# Altium PCB Power_Management_Board.PcbDoc (part 1 of 2) (continued)
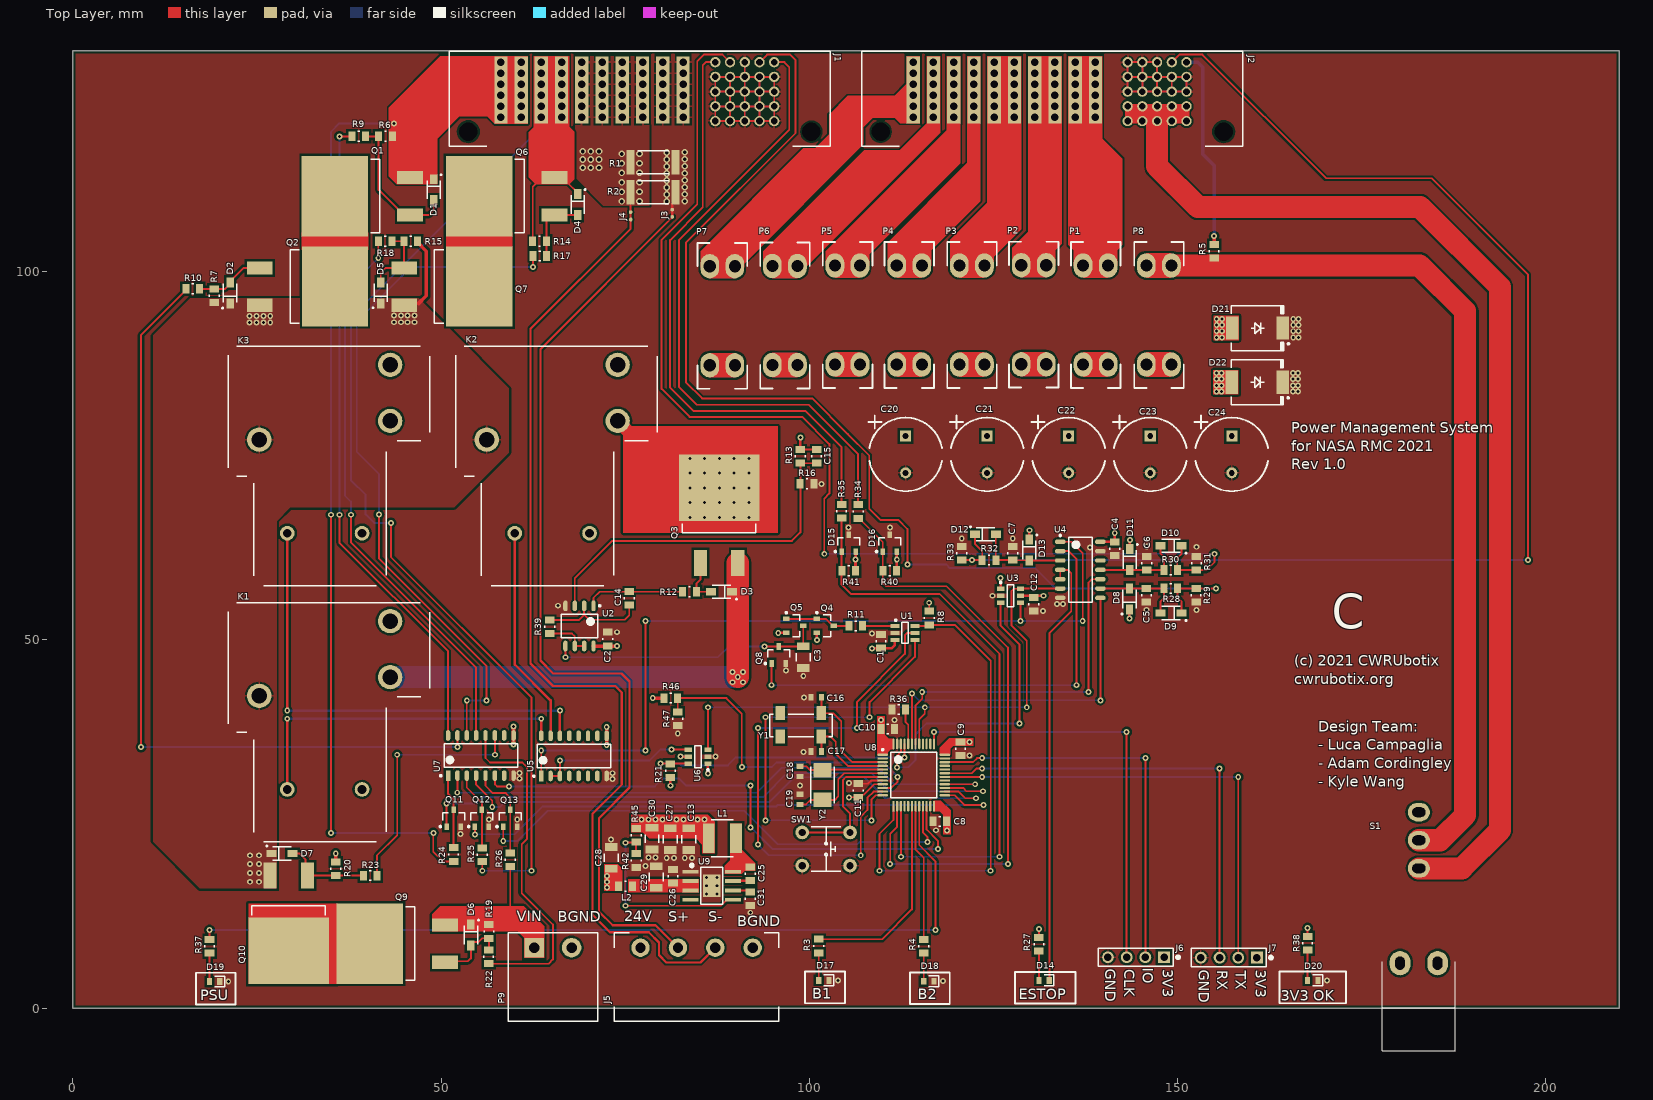
[diagram p0: Top Layer view]
## Components (designator, comment, footprint, x,y, rotation, side; value= is the part's Value field where it differs from the comment) (continued)
R47 "10k" chip_0805 82.15,39.3 r270 top
S1 "SW-SPDT" M2012TXG41-DC 182.8,26.6 r0 top
SW1 "SW_1P1T_2" TE_CONN_3-1825910-5 102.3,21.6 r270 top
U1 "DAC081S101CIMK" TSOT-23-6 113,50.95 r0 top
U2 "OPA2170AIDR" SO-8_1 68.8,51.9 r270 top
U3 "SN74LVC1G11DBVR" sot-23-6 127.35,56 r0 top
U4 "SN74AHC14D" SO-14 136.825,59.52 r0 top
U5 "ULN2003AD" SO-16_1 68.05,34.25 r90 top
U6 "SN74LVC1G11DBVR" sot-23-6 84.9,34.15 r180 top
U7 "ULN2003AD" SO-16_1 55.4,34.3 r90 top
U8 "STM32F103C8" LQFP48_0 114.2,31.65 r0 top
U9 "LMR36510ADDAR" SO-8_PPAD 86.775,16.615 r0 top
Y1 "osc_xtal_2p_0" ABS25_OSC 101.65,36.875 r180 top
Y2 "16M" NX5032GA 101.8,30.3 r270 top

## Footprints (in the part's own frame and the unit in brackets; to place one, negate y for a bottom-side part, rotate by r counter-clockwise, add the part's x,y. Pads: shape width x height; smd on the part's side, far side on the other; paste and mask are expansions set on the pad)
ABS25_OSC [mil] "Abracon Tuning Fork Oscillators"
  rect 50x75 smd: 1(0,-125) 2(0,0) 3(220,0) 4(220,-125)
  silkscreen extent -59,-118 276,0
BOURNS_SRN5040 [mm] "Bourns SRN5040 series inductors"
  rect 1.6x4 smd: 1(-1.85,0) 2(1.85,0)
  silkscreen extent -1.5,-2.5 1.5,2.5, body extent -2.5,-2.52 2.5,2.5, height 3.5
chip_0603 [mm]
  rect 0.7x0.9 smd: 1(-0.7,0) 2(0.7,0)
  body extent -0.85,-0.45 0.85,0.45, height 0.6
chip_0603_LED [mm]
  rect 0.7x0.9 smd: 1(-0.7,0) 2(0.7,0)
  silkscreen extent -1.35,-0.75 0,0.72, body extent -0.85,-0.45 0.85,0.45, height 0.6
chip_0805 [mm]
  rect 0.95x1.3 smd: 1(-0.925,0) 2(0.925,0)
  silkscreen extent -0.13,-0.66 0.13,0.66, body extent -1.05,-0.65 1.05,0.65, height 0.6
chip_1206 [mm]
  rect 1.05x1.7 smd: 1(-1.475,0) 2(1.475,0)
  silkscreen extent -0.55,-0.95 0.55,0.95, body extent -1.65,-0.85 1.65,0.85, height 0.6
chip_2512 [mm]
  rect 1.1x3.3 smd: 1(-3.05,0) 2(3.05,0)
  silkscreen extent -2.1,-1.55 2.1,1.55, body extent -3.25,-1.65 3.25,1.65, height 0.6
CP_RADIAL_D10.0_P5.0_H20.0 [mm] "2 Leaded Al Cap, 5mm spacing, 10mm diameter, 20mm Height"
  rect 1.5x1.5 hole 0.8: 1(-2.5,0)
  round 1.5 hole 0.8: 2(2.5,0)
  silkscreen extent -5.29,-5.08 5,4.92, body extent -4.96,-5 5.04,5, height 20
D2PAK-3_1 [mm] "slightly larger pads that *_0"
  rect 3.504x1.78 smd: 1(10.213,-2.54) 3(10.213,2.54)
  rect 9.02x10.92 smd: 4(0,0)
  silkscreen extent 4.85,-4.98 6.1,5, body extent -4,-5 10.74,5, height 4.22
do-214ab [mm] "DO-214AB, SMC"
  rect 1.7x3.15 smd: 1(-3.45,0) 2(3.45,0)
  silkscreen extent -4.33,-3.05 3.55,3.05, body extent -3.56,-3.05 3.55,3.05, height 2.41
FUSE_HOLDER_KEYSTONE_3557-2 [mil]
  oval 130x100 hole 65: 1(0,134) 1(0,0) 2(530,0) 2(530,134)
  Multi-Layer region: 465,134 465,0 594,0 595,0 595,134
  Multi-Layer region: -65,134 -65,0 64,0 65,0 65,134
  silkscreen extent -125,-65 655,200, body extent -124,-65 656,200, height 290
HDDR_4x1_0 [mm]
  rect 1.6x1.6 hole 1.016: 1(-3.81,0)
  round 1.6 hole 1.016: 2(-1.27,0) 3(1.27,0) 4(3.81,0)
  silkscreen extent -5.91,-1.25 5.1,1.25, body extent -5.08,-1.27 5.08,1.27, height 8.54
LQFP48_0 [mm] "LQFP48, 7.00x7.00mm, 0.50mm"
  oval 1.45x0.3 smd: 1(-4.225,2.75) 2(-4.225,2.25) 3(-4.225,1.75) 4(-4.225,1.25) 5(-4.225,0.75) 6(-4.225,0.25) 7(-4.225,-0.25) 8(-4.225,-0.75) 9(-4.225,-1.25) 10(-4.225,-1.75) 11(-4.225,-2.25) 12(-4.225,-2.75) 25(4.225,-2.75) 26(4.225,-2.25) 27(4.225,-1.75) 28(4.225,-1.25) 29(4.225,-0.75) 30(4.225,-0.25) 31(4.225,0.25) 32(4.225,0.75) 33(4.225,1.25) 34(4.225,1.75) 35(4.225,2.25) 36(4.225,2.75)
  oval 0.3x1.45 smd: 13(-2.75,-4.225) 14(-2.25,-4.225) 15(-1.75,-4.225) 16(-1.25,-4.225) 17(-0.75,-4.225) 18(-0.25,-4.225) 19(0.25,-4.225) 20(0.75,-4.225) 21(1.25,-4.225) 22(1.75,-4.225) 23(2.25,-4.225) 24(2.75,-4.225) 37(2.75,4.225) 38(2.25,4.225) 39(1.75,4.225) 40(1.25,4.225) 41(0.75,4.225) 42(0.25,4.225) 43(-0.25,4.225) 44(-0.75,4.225) 45(-1.25,4.225) 46(-1.75,4.225) 47(-2.25,4.225) 48(-2.75,4.225)
  silkscreen extent -4.35,-3.1 3.1,3.57, body extent -3.5,-3.5 3.5,3.5, height 1.6
M2012TXG41-DC [mm] "SPDT, right angle, thru-hole"
  oval 2.8x3.3 hole 1.3 slot 1.8 at 90 deg: 0(-2.55,-20.5) 0(2.55,-20.5)
  oval 3x2.5 hole 1.3 slot 1.8 at 0 deg: 1(0,-7.62) 2(0,-3.81) 3(0,0)
  silkscreen extent -4.95,-32.38 4.95,-20.32, body extent -4.64,-35.32 4.64,0.35, height 17.35
net_tie_0 [mm] "Net Tie"
  round 0.5 smd: 1(-0.5,0) 2(0.5,0)
  Top Layer lines w0.3: -0.5,0 0.5,0
NX5032GA [mm] "NDK SMD crystal"
  rect 2x2.4 smd: 1(-2,0) 2(2,0)
  silkscreen extent -2.5,-1.6 2.5,1.6, body extent -2.5,-1.6 2.5,1.6, height 1.3
PHOENIX_1757242 [mm]
  rect 2.65x2.65 hole 1.4: 1(-2.54,0)
  round 2.65 hole 1.4: 2(2.54,0)
  silkscreen extent -6.05,-10 6.1,2, body extent -6.04,-10 6.12,2, height 8.6
PHOENIX_1757268 [mm]
  round 2.5 hole 1.4: 1(0,0) 2(5.08,0) 3(10.16,0) 4(15.24,0)
  silkscreen extent -3.55,-10 18.79,2, body extent -3.55,-10 18.77,2, height 8.6
SO-8_1 [mm] "SO-8 Package"
  oval 1.45x0.6 smd: 1(-2.725,1.905) 2(-2.725,0.635) 3(-2.725,-0.635) 4(-2.725,-1.905) 5(2.725,-1.905) 6(2.725,-0.635) 7(2.725,0.635) 8(2.725,1.905)
  silkscreen extent -2.85,-2.5 1.6,2.88, body extent -3.08,-2.5 3.08,2.5, height 2
SO-8_PPAD [mm]
  rect 2.2x0.5 smd: 1(-2.875,1.905) 2(-2.875,0.635) 3(-2.875,-0.635) 4(-2.875,-1.905) 5(2.875,-1.905) 6(2.875,-0.635) 7(2.875,0.635) 8(2.875,1.905)
  rect 2.4x3.1 smd: 9(0,0)
  silkscreen extent -2.92,-2.5 1.5,2.95, body extent -3.08,-2.5 3.08,2.5, height 2
SO-14 [mm] "SOIC, 14-Leads, Body 8.65x3.90mm, Pitch 1.27mm, IPC Medium Density"
  oval 1.45x0.6 smd: 1(-2.725,3.81) 2(-2.725,2.54) 3(-2.725,1.27) 4(-2.725,0) 5(-2.725,-1.27) 6(-2.725,-2.54) 7(-2.725,-3.81) 8(2.725,-3.81) 9(2.725,-2.54) 10(2.725,-1.27) 11(2.725,0) 12(2.725,1.27) 13(2.725,2.54) 14(2.725,3.81)
  silkscreen extent -2.85,-4.4 1.6,4.78, body extent -3.08,-4.4 3.08,4.41, height 2
SO-16_1 [mm]
  rect 1.45x0.6 smd: 1(-2.725,4.445)
  oval 1.45x0.6 smd: 2(-2.725,3.175) 3(-2.725,1.905) 4(-2.725,0.635) 5(-2.725,-0.635) 6(-2.725,-1.905) 7(-2.725,-3.175) 8(-2.725,-4.445) 9(2.725,-4.445) 10(2.725,-3.175) 11(2.725,-1.905) 12(2.725,-0.635) 13(2.725,0.635) 14(2.725,1.905) 15(2.725,3.175) 16(2.725,4.445)
  silkscreen extent -2.87,-5 1.6,5.57, body extent -3.11,-5.04 3.06,5.04, height 2
sod123_0 [mm] "SOD123, 1.65mm x 2.70mm"
  rect 1.35x1 smd: 1(-1.425,0) 2(1.425,0)
  silkscreen extent -2.13,-0.9 1.25,1.12, body extent -1.45,-0.9 1.45,0.9, height 1
sot-23-3 [mm] "SOT-23-3 package"
  rect 0.9x0.6 smd: 1(-1.15,0.95) 2(-1.15,-0.95) 3(1.15,0)
  silkscreen extent -1.27,-1.5 0.7,1.92, body extent -1.42,-1.5 1.42,1.5, height 1.2
SOT-23-3_1 [mm] "SOT-23-3 package"
  rect 0.9x0.6 smd: 1(-1.15,0.95) 2(-1.15,-0.95) 3(1.15,0)
  silkscreen extent -1.27,-1.5 0.7,1.92, body extent -1.42,-1.5 1.42,1.5, height 1.2
sot-23-6 [mm] "SOT23, 6-Leads, Body 2.90x2.80mm, Pitch 0.95mm, IPC Medium Density"
  rect 1x0.6 smd: 1(-1.35,0.95) 2(-1.35,0) 3(-1.35,-0.95) 4(1.35,-0.95) 5(1.35,0) 6(1.35,0.95)
  silkscreen extent -1.47,-1.5 0.45,1.92, body extent -1.42,-1.5 1.42,1.5, height 1.2
TE_CONN_2-1926730-5 [mm]
  round 0 hole 2.5 unplated: 0(-23.3,4.725) 0(23.3,4.725)
  rect 1.8x1.6 hole 1: 1(-5.875,-1.725) 1(-5.875,-0.225) 1(-5.875,1.275) 1(-5.875,2.775) 1(-5.875,-4.725) 1(-5.875,-3.225) 2(-3.125,2.775) 2(-3.125,-0.225) 2(-3.125,1.275) 2(-3.125,-3.225) 2(-3.125,-1.725) 2(-3.125,-4.725) 3(-0.375,2.775) 3(-0.375,1.275) 3(-0.375,-0.225) 3(-0.375,-1.725) 3(-0.375,-3.225) 3(-0.375,-4.725) 4(2.375,2.775) 4(2.375,-0.225) 4(2.375,1.275) 4(2.375,-3.225) 4(2.375,-1.725) 4(2.375,-4.725) 5(5.125,-1.725) 5(5.125,-0.225) 5(5.125,1.275) 5(5.125,2.775) 5(5.125,-4.725) 5(5.125,-3.225) 6(7.875,-4.725) 6(7.875,-3.225) 6(7.875,-1.725) 6(7.875,-0.225) 6(7.875,1.275) 6(7.875,2.775) 7(10.625,-4.725) 7(10.625,-3.225) 7(10.625,-1.725) 7(10.625,-0.225) 7(10.625,1.275) 7(10.625,2.775) 8(13.375,-4.725) 8(13.375,-3.225) 8(13.375,-1.725) 8(13.375,-0.225) 8(13.375,1.275) 8(13.375,2.775) 9(16.125,-4.725) 9(16.125,-3.225) 9(16.125,-1.725) 9(16.125,-0.225) 9(16.125,1.275) 9(16.125,2.775) 10(18.875,-4.725) 10(18.875,-3.225) 10(18.875,-1.725) 10(18.875,-0.225) 10(18.875,1.275) 10(18.875,2.775)
  round 1.4 hole 0.9: A1(-18.25,-4.725) A2(-16.25,-4.725) A3(-14.25,-4.725) A4(-12.25,-4.725) A5(-10.25,-4.725) B1(-18.25,-2.725) B2(-16.25,-2.725) B3(-14.25,-2.725) B4(-12.25,-2.725) B5(-10.25,-2.725) C1(-18.25,-0.725) C2(-16.25,-0.725) C3(-14.25,-0.725) C4(-12.25,-0.725) C5(-10.25,-0.725) D1(-18.25,1.275) D2(-16.25,1.275) D3(-14.25,1.275) D4(-12.25,1.275) D5(-10.25,1.275) E1(-18.25,3.275) E2(-16.25,3.275) E3(-14.25,3.275) E4(-12.25,3.275) E5(-10.25,3.275)
  silkscreen extent -25.88,-6.22 25.88,6.68, body extent -25.86,-19.82 25.85,6.68, height 9.03
TE_CONN_3-1825910-5 [mm] "TE Connectivity Tactile Push-Button"
  round 1.85 hole 1: 1(2.25,3.25) 2(2.25,-3.25) 3(-2.25,3.25) 4(-2.25,-3.25)
  silkscreen extent -3,-2 3,2, body extent -2.99,-3.9 3,3.9, height 8.5
TE_CONN_T9AS [mm] "T9AS/V"
  round 2 hole 1.2: 1(-9.21,-25.36) 2(-19.37,-25.36)
  round 3.3 hole 2.1: 3(-23.18,-12.66) 4(-5.4,-2.5) 5(-5.4,-10.12)
  silkscreen extent -27.4,-32.5 0,0, body extent -27.4,-32.5 0,0, height 20.4
TSOT-23-6 [mm] "TSOT-23, 6-Leads, Body 2.90x1.6mm, Pitch 0.95mm"
  rect 1.2x0.55 smd mask+0.075: 1(-1.35,0.95) 2(-1.35,0) 3(-1.35,-0.95) 4(1.35,-0.95) 5(1.35,0) 6(1.35,0.95)
  silkscreen extent -1.37,-1.43 0.45,1.85, body extent -1.4,-1.43 1.4,1.43, height 0.98

## Part data
C1 C2 C4 C5 C6 C7: library part CAP-00071, "CAP, 0.10uF, 10%, 25V, X7R, 0805", Manufacturer=Murata, Manufacturer PN=GRM21BR71E104KA01L, Tolerance=10%, Voltage Rating=25V, Capacitance=0.10uF, Part Number=CAP-00071, Type=X7R
C3 C13: library part CAP-00539, "CAP, 10uF, ±10%, 25V, X7R, 1206", Manufacturer=Samsung, Manufacturer PN=CL31B106KAHNNNE, Tolerance=±10%, Voltage Rating=25V, Capacitance=10uF, Part Number=CAP-00539, Type=X7R
C8 C9 C10 C11 C12 C25: library part CAP-00069, "CAP, 0.10uF, 10%, 16V, X7R, 0805", Manufacturer=Murata, Manufacturer PN=GRM219R71C104KA01D, Tolerance=10%, Voltage Rating=16V, Capacitance=0.10uF, Part Number=CAP-00069, Type=X7R
C14: library part CAP-00009, "CAP, 1000pF, 10%, 50V, X7R, 0805", Manufacturer=Murata, Manufacturer PN=GRM216R71H102KA01D, Tolerance=10%, Voltage Rating=50V, Capacitance=1000pF, Part Number=CAP-00009, Type=X7R
C15: library part CAP-00035, "CAP, 6800pF, 10%, 50V, X7R, 0805", Manufacturer=Murata, Manufacturer PN=GRM216R71H682KA01D, Tolerance=10%, Voltage Rating=50V, Capacitance=6800pF, Part Number=CAP-00035, Type=X7R
C16 C17: library part CAP-00538, "CAP, 6pF, ±10%, 50V, C0G, 0603", Tolerance=±10%, Voltage Rating=50V, Capacitance=6pF, Part Number=CAP-00538, Type=C0G
C18 C19: library part CAP-00402, "CAP, 8pF, ±0.1pF, 50V, C0G, 0603", Manufacturer=Murata, Manufacturer PN=GRM1885C1H8R0BA01D, Tolerance=±0.1pF, Voltage Rating=50V, Capacitance=8pF, Part Number=CAP-00402, Type=C0G
C20 C21 C22 C23 C24: library part CAP-00591, "CAP, 220uF, ±20%, 63V, Al, 5000hrs @ 105°C", Manufacturer=Nichicon, Manufacturer PN=UPW1J221MPD, Tolerance=±20%, Voltage Rating=63V, Capacitance=220uF, Cost=$0.70, Distributor Link=https://www.digikey.com/en/products/detail/nichicon/UPW1J221MPD/589683, Part Number=CAP-00591, Type=Al
C26: library part CAP-00080, "CAP, 0.22uF, 10%, 100V, X7R, 0805", Manufacturer=Murata, Manufacturer PN=GRM21AR72A224KAC5K, Tolerance=10%, Voltage Rating=100V, Capacitance=0.22uF, Part Number=CAP-00080, Type=X7R
C27 C30: library part CAP-00587, "CAP, 22uF, ±10%, 25V, X5R, 1206", Manufacturer="Samsung Electro-Mechanics", Manufacturer PN=CL31A226KAHNNNE, Tolerance=±10%, Voltage Rating=25V, Capacitance=22uF, Cost=$0.41, Part Number=CAP-00587, Type=X5R
C28 C29: library part CAP-00563, "CAP, 2.2uF, ±10%, 50V, X7R, 1206", Manufacturer=KEMET, Manufacturer PN=C1206C225K5RACTU, Tolerance=±10%, Voltage Rating=50V, Capacitance=2.2uF, Cost=$0.33, Part Number=CAP-00563, Type=X7R
C31: library part CAP-00107, "CAP, 1uF, 10%, 16V, X7R, 0805", Manufacturer=Murata, Manufacturer PN=GRM21BR71C105KA01L, Tolerance=10%, Voltage Rating=16V, Capacitance=1uF, Part Number=CAP-00107, Type=X7R
D1 D2 D3 D4 D5 D6 D7: library part DIO-00072, "Dio, Zener, 12V 5% 500mW SOD-123", Current Rating=40mA, Forward Voltage=0.9V, Manufacturer="ON Semi", Manufacturer PN=MMSZ5242BT1G, Power Rating=500mW, Reverse Breakdown Voltage=12V, Tolerance=5%, Cost=0.21, Part Number=DIO-00072, Type=Zener
D8 D9 D10 D11 D12 D13: library part DIO-00060, "Dio, Silicon, 200mA, 1V, 100V, SOD-123", Current Rating=200mA, Forward Voltage=1.0V, Manufacturer="ON Semi", Manufacturer PN=SMMSD4148T3G, Reverse Breakdown Voltage=100V, Cost=0.38, Part Number=DIO-00060, Type=Silicon
D14: library part DIO-00049, "LED, Blue, 0603, Low current, HELI2 Series", Current Rating=30mA, Forward Voltage=2.65V, Manufacturer=Kingbright, Manufacturer PN=APT1608LVBC/D, Power Rating=120mW, Reverse Breakdown Voltage=5V, Cost=0.58, Part Number=DIO-00049, Type=LED
D15 D16: library part DIO-00075, "TVS, Rail-Rail Steering + Zener Clamp, 3.3V Standoff, 10V Clamping", Current Rating=1A, Manufacturer="Diodes Incorporated", Reverse Breakdown Voltage=6V, Cost=0.35, Manufacturer PN=D1213A-01SO-7, Part Number=DIO-00075, Type=TVS
D17 D18 D19 D20: library part DIO-00049, "LED, Blue, 0603, Low current, HELI2 Series", Current Rating=30mA, Manufacturer=Kingbright, Manufacturer PN=APT1608LVBC/D, Power Rating=120mW, Reverse Breakdown Voltage=5V, Cost=0.58, Forward Voltage=2.65V, Part Number=DIO-00049, Type=LED
D21 D22: library part DIO-00090, "TVS, 28V, 45.5V@66A, 3kW 66A Peak, Bidirectional, DO-214AC", Current Rating=66A, Manufacturer=ST, Manufacturer PN=SMC30J28CA, Power Rating=3000W, Reverse Breakdown Voltage=31.1V, Cost=1.2, Distributor Link=https://www.digikey.com/en/products/detail/stmicroelectronics/SMC30J28CA/2826980, Part Number=DIO-00090, Type=TVS
J1 J2: library part CONN-00093, "Backplane Header, Blades and Pins, Edge Mount Right Angle, 10 Power 25 Signal", Manufacturer="TE Connectivity", Cost=11.68, Levels=1, Manufacturer PN=2-1926730-5, Part Number=CONN-00093, Positions per level=35, Type=Header
J3 J4: library part MISC-00039, Part Number=MISC-00039
J5: library part CONN-00096, "Terminal Block Header, 4 pos, 12A 300V, Right-Angle, THT", Manufacturer="Phoenix Contact", Manufacturer PN=1757268, Cost=1.4, Levels=1, Part Number=CONN-00096, Positions per level=4, Type="Terminal Block"
J6 J7: library part CONN-00029, "Header 4x1, 0.1\"", Levels=1, Part Number=CONN-00029, Positions per level=4, Type=Header
K1 K2 K3: library part MISC-00050, "Relay, 24V Coil, 30A, SPST, 1 Form A", Manufacturer="TE Connectivity", Cost=5.04, Manufacturer PN=T9AS1D12-24, Part Number=MISC-00050
L1: library part MAG-00129, "Ind, 10uH, 2.1A (2.3A sat.), 0.068 Ohm, SMD", Current Rating=1.4A, Manufacturer=Bourns, Manufacturer PN=SRN5040-220M, Tolerance=20%, Cost=0.46, DCR=152mOhm, Inductance=22uH, Part Number=MAG-00129
L2: library part MAG-00009, "Ind, 1uH, 20%, 900mA, 0805", Current Rating=900mA, Manufacturer=TDK, Manufacturer PN=MLZ2012A1R0M, Tolerance=20%, DCR="100 mOhm", Inductance=1uH, Part Number=MAG-00009
P1 P2 P3 P4 P5 P6 P7 P8: library part CONN-00015, "Fuse Holder, 30A, 500V, LP-Mini 897, ATOF 257", Current=30, Manufacturer="Keystone Electronics", Manufacturer PN=3557-2, Cost=1.03, Levels=1, Part Number=CONN-00015, Positions per level=2
P9: library part CONN-00102, "Terminal Blk Header, 2 Pos, 5.08mm, 12A, Right-Angle", Manufacturer="Phoenix Contact", Manufacturer PN=1757242, Cost=0.64, Levels=1, Part Number=CONN-00102, Positions per level=2, Type="Terminal Block"
Q1 Q2 Q3 Q6 Q7 Q9 Q10: library part XSTR-00046, "XSTR, MOSFET P-Channel, 40V 120A 3mOhm Rds On, D2PAK", Manufacturer="Vishay Siliconix", Max Current=120A, Max Power=375W, Max Voltage=40V, Cost=2.81, Manufacturer PN=SQM40031EL_GE3, Part Number=XSTR-00046, Type=PMOS, Vgs/Vce=2.5V
Q4 Q5: library part XSTR-00038, "XSTR, PNP, 200mA, 40V, Vce 0.4V, SOT-23-3", Manufacturer="ON Semi", Max Current=200mA, Max Power=300mW, Max Voltage=40V, Cost=0.12, Manufacturer PN=MMBT3906LT1G, Part Number=XSTR-00038, Type=PNP, Vgs/Vce=0.4V
Q8 Q11 Q12 Q13: library part XSTR-00017, "XSTR NMOS, 220mA, 50V, Vgs 1.3V, SOT-23-3", Manufacturer="ON Semi", Max Current=220mA, Max Power=360mW, Max Voltage=50V, Cost=0.31, Manufacturer PN=BSS138, Part Number=XSTR-00017, Type=NFET, Vgs/Vce=1.3V
R1 R2: library part RES-00716, "RES SMD 0.0015 OHM 1% 3W 2512 50ppm, Current Sense", Manufacturer="TE Connectivity", Manufacturer PN=TLR3A30DR0015FTDG, Power Rating=3W, Tolerance=1%, Cost=1.04, Part Number=RES-00716, Resistance=0.0015
R3 R4 R12 R37 R38: library part RES-00222, "RES SMD 330 OHM 1% 1/8W 0805", Manufacturer="Rohm Semiconductor", Manufacturer PN=KTR10EZPF3300, Power Rating=0.125W, Tolerance=1%, Part Number=RES-00222, Resistance=330
R5: library part RES-00366, "RES SMD 2.2K OHM 1% 1/8W 0805", Manufacturer="Rohm Semiconductor", Manufacturer PN=KTR10EZPF2201, Power Rating=0.125W, Tolerance=1%, Part Number=RES-00366, Resistance=2.2k
R6 R7 R14 R15 R19 R20 R24 R25 R26 R28 R30 R32 R45: library part RES-00302, "RES SMD 100K OHM 1% 1/8W 0805", Manufacturer="Rohm Semiconductor", Manufacturer PN=KTR10EZPF1003, Power Rating=0.125W, Tolerance=1%, Part Number=RES-00302, Resistance=100k
R8 R9 R10 R11 R16 R17 R18 R21 R22 R23 R29 R31 R33 R39 R47: library part RES-00307, "RES SMD 10K OHM 1% 1/8W 0805", Manufacturer="Rohm Semiconductor", Manufacturer PN=KTR10EZPF1002, Power Rating=0.125W, Tolerance=1%, Part Number=RES-00307, Resistance=10k
R13 R46: library part RES-00724, "RES SMD 68K OHM 1% 1/8W 0805 100ppm", Manufacturer=Yageo, Manufacturer PN=RC0805FR-0768KL, Power Rating=1/8W, Tolerance=1%, Cost=0.1, Part Number=RES-00724, Resistance=68k
R27: library part RES-00226, "RES SMD 360 OHM 1% 1/8W 0805", Manufacturer="Rohm Semiconductor", Manufacturer PN=KTR10EZPF3600, Power Rating=0.125W, Tolerance=1%, Part Number=RES-00226, Resistance=360
R34 R35: library part RES-00154, "RES SMD 47 OHM 1% 1/8W 0805", Manufacturer="Rohm Semiconductor", Manufacturer PN=KTR10EZPF47R0, Power Rating=0.125W, Tolerance=1%, Part Number=RES-00154, Resistance=47
R36: library part RES-00361, "RES SMD 1K OHM 1% 1/8W 0805", Manufacturer="Rohm Semiconductor", Manufacturer PN=KTR10EZPF1001, Power Rating=0.125W, Tolerance=1%, Part Number=RES-00361, Resistance=1k
R40 R41: library part RES-00471, "RES SMD 4.7K OHM 1% 1/8W 0805", Manufacturer="Rohm Semiconductor", Manufacturer PN=KTR10EZPF4701, Power Rating=0.125W, Tolerance=1%, Part Number=RES-00471, Resistance=4.7k
R42: library part RES-00396, "RES SMD 24.9K OHM 1% 1/8W 0805", Manufacturer="Rohm Semiconductor", Manufacturer PN=KTR10EZPF2492, Power Rating=0.125W, Tolerance=1%, Part Number=RES-00396, Resistance=24.9k
S1: library part MISC-00009, "Switch, SPDT, Rocker, Thru-hole, Right-angle", Manufacturer="NKK Switches", Manufacturer PN=M2012TXW41-DA, Cost=5.1, Part Number=MISC-00009, Weight=6
SW1: library part MISC-00059, "Switch, Tactile, SPST-NO, 50mA 24V, Vertical, Thru-Hole", Manufacturer="TE Connectivity", Manufacturer PN=3-1825910-5, Cost=0.13, Part Number=MISC-00059
U1: library part ANLG-00080, "IC, DAC, 8-bit, Rail-Rail Output, SPI, 2.7~5.5V", Manufacturer=TI, Cost=1.45, Manufacturer PN=DAC081S101CIMK, Part Number=ANLG-00080
U2: library part ANLG-00068, "Op Amp, Dual, Rail-Rail, 2.7~36V, 2.1-MHz, SOIC-8", Manufacturer=TI, Cost=1.84, Manufacturer PN=OPA2170AIDR, Part Number=ANLG-00068
U3 U6: library part LOGIC-00042, "IC, AND Gate, Single 3-Input, 1.65-5.5V, SOT-23-6", Manufacturer=TI, Cost=$0.37, Manufacturer PN=SN74LVC1G11DBVR, Part Number=LOGIC-00042
U4: library part LOGIC-00014, "IC, Inverter, Hex, Schmitt Triggered Inputs, SOIC-14, SN74ACH14D", Manufacturer=TI, Cost=$0.41, Manufacturer PN=SN74AHC14D, Part Number=LOGIC-00014
U5 U7: library part ANLG-00079, "IC, 7 NPN Darlington Array, 50V 500mA", Manufacturer=TI, Cost=0.49, Manufacturer PN=ULN2003AD, Part Number=ANLG-00079
U8: library part UCTRL-00008, "STM32 M3, LQFP-48", Manufacturer=ST, Manufacturer PN=STM32F103C8, Part Number=UCTRL-00008
U9: library part PWREG-00076, "REG, Synchronous Buck, 4.2V~65V, 1A, Simple Switcher", Manufacturer=TI, Max Current=1A, Voltage Range In="4.2 ~ 65V", Voltage Range Out="1V ~ 28V", Cost=2.35, Distributor Link=https://www.digikey.com/en/products/detail/texas-instruments/LMR36510ADDAR/11635685, Fixed/Adj=Adj, Manufacturer PN=LMR36510ADDAR, Part Number=PWREG-00076, Reg Type="SW Buck"
Y1: library part OSC-00003, "XTAL, 32.768kHz, 6pF, 20ppm", Frequency=32.768k, Load Capacitance=6pF, Manufacturer=Abracon, Manufacturer PN=ABS25-32.768KHZ-6-T, Tolerance=20ppm, ESR=50k, Part Number=OSC-00003
Y2: library part OSC-00000, "XTAL, 16MHz, 8pF, 50, 20ppm", Load Capacitance=8pF, Manufacturer=NDK, Manufacturer PN=NX5032GA-16MHZ-STD-CSK-4, Tolerance=20ppm, Cost=0.65, ESR=50, Frequency=16M, Part Number=OSC-00000, Stability=30ppm

## Via types
v1: diameter 0.8, hole 0.4, Top Layer to Bottom Layer, tented both sides, 268 vias
v2: diameter 0.9, hole 0.5, Top Layer to Bottom Layer, tented both sides, 37 vias
v3: diameter 0.7, hole 0.4, Top Layer to Bottom Layer, 6 vias

## Nets (pads, with @x,y where several pads share a name; then routed paths per layer and width w, separated by ;. In a path a pad name is that pad's centre, name@x,y a point inside that pad or via, vN(x,y) a via of type N, cw(c..) or ccw(c..) an arc to the next point about the centre after c; other vN are vias at no path point)
24V_FUSED: P8.1 R5.2 S1.2 | length 118.6
  Top Layer w3: P8.1@149.2,100.862 153.3,100.862 155,100.862 182.888,100.862 189.1,94.65 189.1,26.2 185.69,22.79 S1.2@182.8,22.79
24V_SNS: R46.2 R47.1 U8.10 | length 44
  Top Layer w0.25: R47.1@82.15,40.225 82.15,42.075 R46.2@82.125,42.1 88.75,42.1 90.85,40 v1(90.85,32.75) ; U8.10@109.975,29.9 111.15,29.9 112,30.75 v1(112,31.4)
  Bottom Layer w0.25: v1(90.85,32.75) 94.95,32.75 95.55,33.35 110.05,33.35 v1(112,31.4)
+3.3: C1.2 C4.2 C8.1 C9.1 C10.1 C11.1 C12.2 C13.1 C27.1 C30.1 D8.1 D11.1 D13.1 D15.2 D16.2 J6.1 J7.1 L1.2 Q4.2 Q5.2 R8.2 R21.2 R27.1 R38.1 R40.1 R41.1 R45.2 U1.3 U3.1 U3.5 U4.14 U6.1 U6.5 U8.1 U8.9 U8.24 U8.36 U8.48 | length 34.9
  Top Layer w0.25: v1(105.4,28.625) C11.1@106.65,28.625 ; C11.1@106.65,28.7 106.925,28.975 107.425,28.975 108.85,30.4 U8.9@109.975,30.4 ; R8.2@116.3,53.9 v1(116.3,55.05) ; R27.1@131.2,9.6 v1(131.2,10.75) ; R38.1@167.7,9.75 v1(167.7,10.9)
  Top Layer w0.35: v1(81.15,30.2) R21.2@81.15,31.325 ; v1(82.5,34.15) U6.5@83.55,34.15 ; v1(86.25,31.85) U6.1@86.25,33.2 ; v1(95.8,50.95) Q5.2@96.9,50.95 ; v1(101.05,50) Q4.2@101.05,50.95 ; R41.1@106.275,59.4 106.287,59.412 106.287,60.937 v1(106.3,60.95) D15.2@106.3,62 ; v1(108.55,48.85) 108.563,48.863 109.738,48.863 C1.2@109.75,48.875 111.225,48.875 111.65,49.3 U1.3@111.65,50 ; R40.1@111.875,59.4 111.887,59.412 111.887,60.937 v1(111.9,60.95) D16.2@111.9,62 ; U3.1@126,56.95 v1(126,58.4) ; U3.5@128.7,56 v1(131.8,56) ; D13.1@129.9,63.65 v1(129.9,64.9) ; U4.14@139.55,63.33 139.552,63.327 141.497,63.327 C4.2@141.5,63.325 v1(141.5,64.5) ; v1(143.5,52.9) D8.1@143.5,54.125 ; D11.1@143.55,62.35 v1(143.55,63.575)
  other v1: 118.7,24.1 77.25,25.6 78.2,25.6 79.15,25.6 80.1,25.6 82,25.6 82.95,25.6 84.85,25.6 85.8,25.6 121.75,36.15 109.75,39.15
+24_OUT: C15.1 D21.2 K2.5 K3.5 P1.2 P2.2 P3.2 P4.2 P5.2 P6.2 P7.2 Q3.4 R13.1 | length 4.9
  Top Layer w0.3: v1(98.8,77.5) R13.1@98.8,75.875 C15.1@101,75.875
  Top Layer w3: K2.5@73.98,79.74 K2.5@74.037,79.683 ; Q3.4@86.81,70.663 Q3.4@87.76,70.663
  other v1: 83.8,66.65 85.8,66.65 87.8,66.65 89.8,66.65 91.8,66.65 83.8,68.65 85.8,68.65 87.8,68.65 89.8,68.65 91.8,68.65 83.8,70.65 85.8,70.65 87.8,70.65 89.8,70.65 91.8,70.65 83.8,72.65 85.8,72.65 87.8,72.65 89.8,72.65 91.8,72.65 83.8,74.65 85.8,74.65 87.8,74.65 89.8,74.65 91.8,74.65 155.35,91.1 156.05,91.1 155.35,91.933 156.05,91.933 155.35,92.767 156.05,92.767 155.35,93.6 156.05,93.6
+24V: C2.2 C20.1 C21.1 C22.1 C23.1 C24.1 C28.1 D2.1 D5.1 D7.1 D22.2 J5.1 K1.1 K1.3 K2.1 K2.3 K3.1 K3.3 L2.1 P8.2 Q2.3 Q7.3 Q10.3 R7.1 R15.1 R20.1 R46.1 U2.8 U5.9 U7.9 | length 20.2
  Top Layer w0.5: R20.1@35.7,19.85 v1(35.7,21) ; R15.1@46.825,104.15 46.825,103.975 48,102.8 48,96.75 46.95,95.7 ; v1(59.85,35.8) 59.848,35.802 59.848,37.022 U7.9@59.845,37.025 59.848,37.028 59.848,38.248 v1(59.85,38.25) ; U2.8@70.705,49.175 70.717,49.163 73.887,49.163 v1(73.9,49.15) ; v1(72.5,35.75) 72.498,35.752 72.498,36.972 U5.9@72.495,36.975 72.498,36.978 72.498,38.198 v1(72.5,38.2) ; v1(78.75,42.1) R46.1@80.275,42.1
  other v1: 72.55,16.35 24.05,17.15 25.25,17.15 72.55,17.15 72.55,17.95 24.05,18.35 25.25,18.35 24.05,19.55 25.25,19.55 24.05,20.75 25.25,20.75 155.3,83.75 156,83.75 155.3,84.583 156,84.583 155.3,85.417 156,85.417 155.3,86.25 156,86.25 24,93.1 24.933,93.1 25.867,93.1 26.8,93.1 43.6,93.15 44.533,93.15 45.467,93.15 46.4,93.15 24,94 24.933,94 25.867,94 26.8,94 43.6,94.05 44.533,94.05 45.467,94.05 46.4,94.05
+24V_SBY: J2.D1 J2.D2 J2.D3 J2.D4 J2.D5 J2.E1 J2.E2 J2.E3 J2.E4 J2.E5 S1.1 | length 146.5
  Top Layer w3: J2.E3@147.25,120.475 147.25,114.35 152.8,108.8 182.95,108.8 193.85,97.9 193.85,24.2 188.63,18.98 S1.1@182.8,18.98
+B1: D1.1 J1.9 J1.10 Q1.3 R6.1 R24.1 | length 124
  Top Layer w0.25: v1(35.05,23.8) v1(35.05,67) ; v1(48.95,23.8) 48.95,21.25 50.275,19.925 R24.1@51.7,19.925
  Bottom Layer w0.25: v1(35.05,23.8) v1(48.95,23.8) ; v1(35.05,67) 35.05,119 36.2,120.15 v1(43.6,120.15)
+B2: D4.1 J1.7 J1.8 Q6.3 R14.1 R25.1 | length 147.6
  Top Layer w0.25: v1(43.2,65.9) 43.2,61.25 62.3,42.15 v1(62.3,18.65) ; v1(55.6,18.65) R25.1@55.6,19.9 ; R14.1@62.45,104.15 62.45,111.55 63.419,112.519 65.119,112.519 Q6.3@65.4,112.8 66.165,112.035 67.24,112.035 68.55,110.725 D4.1@68.55,110.55
  Bottom Layer w0.25: v1(43.2,65.9) 40.9,65.9 39.75,67.05 39.75,69.7 37.75,71.7 37.75,93.75 63.55,119.55 63.55,120.9 J1.8@63.625,120.975 ; v1(55.6,18.65) v1(62.3,18.65)
+PSU: D6.1 P9.1 Q9.3 R19.1 R26.1 | length 10.2
  Top Layer w0.25: D6.1@54.025,11.3 D6.1@54.05,11.325 ; R19.1@56.5,11.325 58.275,11.325 59.4,12.45 R26.1@59.4,19.225
B1_EN: R10.2 U7.15 | length 109.3
  Top Layer w0.25: v1(9.25,35.45) 9.25,91.45 15.325,97.525 R10.2@15.325,97.7 ; v1(52.225,35.475) U7.15@52.225,37.025
  Bottom Layer w0.25: v1@9.25,35.475 v1(52.225,35.475)
B1_EN_3V3: U7.2 U8.28 | length 79.2
  Top Layer w0.25: v1(52.2,29.25) 52.212,29.263 52.212,31.563 U7.2@52.225,31.575 ; U8.28@118.425,30.4 v1(122.55,30.4)
  Bottom Layer w0.25: v1(52.2,29.25) 92.85,29.25 96.25,32.65 109.3,32.65 111.55,30.4 v1(122.55,30.4)
B1_EN_LED: R3.1 U8.18 | length 28.4
  Top Layer w0.25: R3.1@101.3,9.35 109.9,9.35 113.95,13.4 U8.18@113.95,27.425
B1_OFF: Q11.1 U8.27 | length 84.1
  Top Layer w0.25: Q11.1@50.75,24.65 v1(50.75,27.8) ; U8.27@118.425,29.9 120.9,29.9 121.35,29.45 v1(123.6,29.45)
  Bottom Layer w0.25: v1(50.75,27.8) 54.8,27.8 55.65,28.65 93.75,28.65 97.05,31.95 108.4,31.95 110.9,29.45 v1(123.6,29.45)
B1_ON: R9.2 U7.16 | length 89.2
  Top Layer w0.25: v1(36.2,67) 36.2,63.2 50.955,48.445 U7.16@50.955,37.025 ; v1(36.2,118.4) R9.2@37.9,118.4
  Bottom Layer w0.25: v1(36.2,67) v1(36.2,118.4)
B1_ON_CTRL: Q11.3 R24.2 U7.1 | length 10.1
  Top Layer w0.25: U7.1@50.955,31.575 50.955,29.095 51.7,28.35 Q11.3@51.7,26.95 R24.2@51.7,21.775
B1_PRSNT: U4.8 U8.43 | length 46.8
  Top Layer w0.25: U8.43@113.95,35.875 v1(113.95,42.75) ; v1(139.55,41.8) U4.8@139.55,55.71
  Bottom Layer w0.25: v1(113.95,42.75) 114.9,41.8 v1(139.55,41.8)
B1_PRSNT_EXT: D9.1 J1.A2 R28.1 R29.2 | length 155
  Top Layer w0.25: J1.A2@93.25,128.475 94.275,129.5 97.4,129.5 98.15,128.75 98.15,118.85 83.25,103.95 83.25,85 85.45,82.8 100.4,82.8 105.25,77.95 108.15,75.05 108.15,67.8 109.65,66.3 112.1,66.3 113.35,65.05 v1@113.35,60.25 ; D9.1@150.575,53.65 150.575,55.175 150.025,55.725 R28.1@150.025,57 150.05,56.975 R29.2@152.55,56.975 v1(155.25,56.975)
  Bottom Layer w0.25: v1(113.367,60.25) 118.6,60.25 119.1,59.75 130.7,59.75 133.475,56.975 v1(155.25,56.975)
B2_EN: R18.2 U7.13 | length 76.4
  Top Layer w0.25: v1(37.75,67) 37.75,63.25 54.765,46.235 U7.13@54.765,37.025 ; R18.2@41.475,104.15 v1(41.475,101.875) v1@41.5,101.85
  Bottom Layer w0.25: v1(37.75,67) 37.75,68.8 36.95,69.6 36.95,97.35 v1(41.475,101.875)
B2_EN_3V3: U7.4 U8.26 | length 78.3
  Top Layer w0.25: U7.4@54.765,31.575 54.765,30.322 56.95,28.137 v1(56.95,27.3) ; U8.26@118.425,29.4 120.3,29.4 121.2,28.5 v1(122.65,28.5)
  Bottom Layer w0.25: v1(56.95,27.3) 58,27.3 58.7,28 94.65,28 98,31.35 107.5,31.35 110.35,28.5 v1(122.65,28.5)